# KiCad board Eclipse60.kicad_pcb (continued)
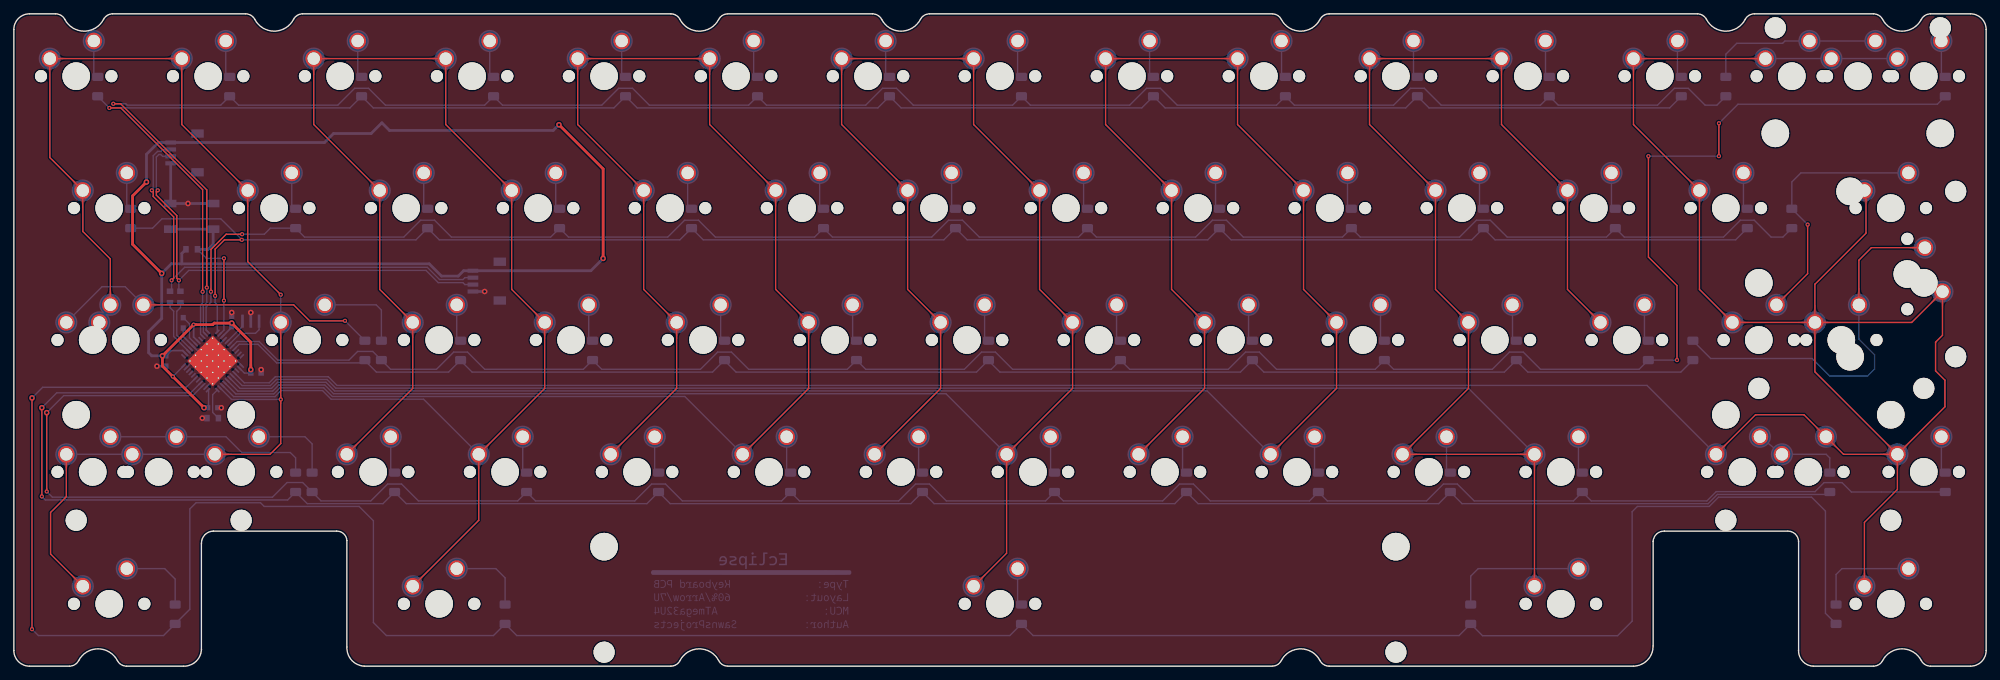
[diagram p0: board, top side]
## Copper pours and planes (outline as drawn; the poured copper is in the pictures) (continued)
Net-(D53-Pad2) on Bottom: 92.6,29.94 92.61,30.08 92.61,30.2 92.63,30.32 92.64,30.43 92.66,30.54 92.69,30.63 92.72,30.72 92.75,30.81 92.79,30.89 92.83,30.96 92.87,31.03 92.92,31.1 92.96,31.17 93.01,31.23 93.07,31.29 93.12,31.35 93.41,31.66 93.47,31.73 93.53,31.8 93.59,31.87 93.65,31.95 93.71,32.04 93.77,32.13 93.83,32.22 93.89,32.32 93.94,32.43 92.5,33.93 91.06,32.43 91.12,32.32 91.18,32.22 91.23,32.13 91.29,32.04 91.35,31.95 91.41,31.87 91.47,31.8 91.53,31.73 91.59,31.66 91.89,31.35 91.94,31.29 91.99,31.23 92.04,31.17 92.09,31.1 92.13,31.03 92.18,30.96 92.22,30.89 92.25,30.81 92.29,30.72 92.32,30.63 92.34,30.54 92.36,30.43 92.38,30.32 92.39,30.2 92.4,30.08 92.4,29.94
Net-(D53-Pad2) on Bottom: 92.6,30.74 92.6,30.84 92.61,30.94 92.62,31.03 92.63,31.11 92.65,31.19 92.67,31.26 92.69,31.33 92.71,31.39 92.74,31.45 92.77,31.51 92.8,31.56 92.83,31.61 92.86,31.66 92.9,31.71 93.28,32.13 93.32,32.19 93.37,32.25 93.41,32.31 93.46,32.38 93.5,32.45 93.54,32.53 93.58,32.61 92.5,33.73 91.42,32.61 91.46,32.53 91.51,32.45 91.55,32.38 91.59,32.31 91.64,32.25 91.68,32.19 91.73,32.13 92.1,31.71 92.14,31.66 92.18,31.61 92.21,31.56 92.24,31.51 92.27,31.45 92.29,31.39 92.32,31.33 92.34,31.26 92.36,31.19 92.37,31.11 92.39,31.03 92.4,30.94 92.4,30.84 92.4,30.74
Net-(D54-Pad2) on Bottom: 111.65,30.74 111.65,30.84 111.66,30.94 111.67,31.03 111.68,31.11 111.7,31.19 111.72,31.26 111.74,31.33 111.76,31.39 111.79,31.45 111.82,31.51 111.85,31.56 111.88,31.61 111.91,31.66 111.95,31.71 112.33,32.13 112.37,32.19 112.42,32.25 112.46,32.31 112.51,32.38 112.55,32.45 112.59,32.53 112.63,32.61 111.55,33.73 110.47,32.61 110.51,32.53 110.56,32.45 110.6,32.38 110.64,32.31 110.69,32.25 110.73,32.19 110.78,32.13 111.15,31.71 111.19,31.66 111.23,31.61 111.26,31.56 111.29,31.51 111.32,31.45 111.34,31.39 111.37,31.33 111.39,31.26 111.41,31.19 111.42,31.11 111.44,31.03 111.45,30.94 111.45,30.84 111.45,30.74
Net-(D54-Pad2) on Bottom: 111.65,29.94 111.66,30.08 111.66,30.2 111.68,30.32 111.69,30.43 111.71,30.54 111.74,30.63 111.77,30.72 111.8,30.81 111.84,30.89 111.88,30.96 111.92,31.03 111.97,31.1 112.01,31.17 112.06,31.23 112.12,31.29 112.17,31.35 112.46,31.66 112.52,31.73 112.58,31.8 112.64,31.87 112.7,31.95 112.76,32.04 112.82,32.13 112.88,32.22 112.94,32.32 112.99,32.43 111.55,33.93 110.11,32.43 110.17,32.32 110.23,32.22 110.28,32.13 110.34,32.04 110.4,31.95 110.46,31.87 110.52,31.8 110.58,31.73 110.64,31.66 110.94,31.35 110.99,31.29 111.04,31.23 111.09,31.17 111.14,31.1 111.18,31.03 111.23,30.96 111.27,30.89 111.3,30.81 111.34,30.72 111.37,30.63 111.39,30.54 111.41,30.43 111.43,30.32 111.44,30.2 111.45,30.08 111.45,29.94
Net-(D55-Pad2) on Bottom: 130.7,30.74 130.7,30.84 130.71,30.94 130.72,31.03 130.73,31.11 130.75,31.19 130.77,31.26 130.79,31.33 130.81,31.39 130.84,31.45 130.87,31.51 130.9,31.56 130.93,31.61 130.96,31.66 131,31.71 131.38,32.13 131.42,32.19 131.47,32.25 131.51,32.31 131.56,32.38 131.6,32.45 131.64,32.53 131.68,32.61 130.6,33.73 129.52,32.61 129.56,32.53 129.61,32.45 129.65,32.38 129.69,32.31 129.74,32.25 129.78,32.19 129.83,32.13 130.2,31.71 130.24,31.66 130.28,31.61 130.31,31.56 130.34,31.51 130.37,31.45 130.39,31.39 130.42,31.33 130.44,31.26 130.46,31.19 130.47,31.11 130.49,31.03 130.5,30.94 130.5,30.84 130.5,30.74
Net-(D55-Pad2) on Bottom: 130.7,29.94 130.71,30.08 130.71,30.2 130.73,30.32 130.74,30.43 130.76,30.54 130.79,30.63 130.82,30.72 130.85,30.81 130.89,30.89 130.93,30.96 130.97,31.03 131.02,31.1 131.06,31.17 131.11,31.23 131.17,31.29 131.22,31.35 131.51,31.66 131.57,31.73 131.63,31.8 131.69,31.87 131.75,31.95 131.81,32.04 131.87,32.13 131.93,32.22 131.99,32.32 132.04,32.43 130.6,33.93 129.16,32.43 129.22,32.32 129.28,32.22 129.33,32.13 129.39,32.04 129.45,31.95 129.51,31.87 129.57,31.8 129.63,31.73 129.69,31.66 129.99,31.35 130.04,31.29 130.09,31.23 130.14,31.17 130.19,31.1 130.23,31.03 130.28,30.96 130.32,30.89 130.35,30.81 130.39,30.72 130.42,30.63 130.44,30.54 130.46,30.43 130.48,30.32 130.49,30.2 130.5,30.08 130.5,29.94
Net-(D56-Pad2) on Bottom: 149.75,30.74 149.75,30.84 149.76,30.94 149.77,31.03 149.78,31.11 149.8,31.19 149.82,31.26 149.84,31.33 149.86,31.39 149.89,31.45 149.92,31.51 149.95,31.56 149.98,31.61 150.01,31.66 150.05,31.71 150.43,32.13 150.47,32.19 150.52,32.25 150.56,32.31 150.61,32.38 150.65,32.45 150.69,32.53 150.73,32.61 149.65,33.73 148.57,32.61 148.61,32.53 148.66,32.45 148.7,32.38 148.74,32.31 148.79,32.25 148.83,32.19 148.88,32.13 149.25,31.71 149.29,31.66 149.33,31.61 149.36,31.56 149.39,31.51 149.42,31.45 149.44,31.39 149.47,31.33 149.49,31.26 149.51,31.19 149.52,31.11 149.54,31.03 149.55,30.94 149.55,30.84 149.55,30.74
Net-(D56-Pad2) on Bottom: 149.75,29.94 149.76,30.08 149.76,30.2 149.78,30.32 149.79,30.43 149.81,30.54 149.84,30.63 149.87,30.72 149.9,30.81 149.94,30.89 149.98,30.96 150.02,31.03 150.07,31.1 150.11,31.17 150.16,31.23 150.22,31.29 150.27,31.35 150.56,31.66 150.62,31.73 150.68,31.8 150.74,31.87 150.8,31.95 150.86,32.04 150.92,32.13 150.98,32.22 151.04,32.32 151.09,32.43 149.65,33.93 148.21,32.43 148.27,32.32 148.33,32.22 148.38,32.13 148.44,32.04 148.5,31.95 148.56,31.87 148.62,31.8 148.68,31.73 148.74,31.66 149.04,31.35 149.09,31.29 149.14,31.23 149.19,31.17 149.24,31.1 149.28,31.03 149.33,30.96 149.37,30.89 149.4,30.81 149.44,30.72 149.47,30.63 149.49,30.54 149.51,30.43 149.53,30.32 149.54,30.2 149.55,30.08 149.55,29.94
Net-(D57-Pad2) on Bottom: 168.8,30.74 168.8,30.84 168.81,30.94 168.82,31.03 168.83,31.11 168.85,31.19 168.87,31.26 168.89,31.33 168.91,31.39 168.94,31.45 168.97,31.51 169,31.56 169.03,31.61 169.06,31.66 169.1,31.71 169.48,32.13 169.52,32.19 169.57,32.25 169.61,32.31 169.66,32.38 169.7,32.45 169.74,32.53 169.78,32.61 168.7,33.73 167.62,32.61 167.66,32.53 167.71,32.45 167.75,32.38 167.79,32.31 167.84,32.25 167.88,32.19 167.93,32.13 168.3,31.71 168.34,31.66 168.38,31.61 168.41,31.56 168.44,31.51 168.47,31.45 168.49,31.39 168.52,31.33 168.54,31.26 168.56,31.19 168.57,31.11 168.59,31.03 168.6,30.94 168.6,30.84 168.6,30.74
Net-(D57-Pad2) on Bottom: 168.8,29.94 168.81,30.08 168.81,30.2 168.83,30.32 168.84,30.43 168.86,30.54 168.89,30.63 168.92,30.72 168.95,30.81 168.99,30.89 169.03,30.96 169.07,31.03 169.12,31.1 169.16,31.17 169.21,31.23 169.27,31.29 169.32,31.35 169.61,31.66 169.67,31.73 169.73,31.8 169.79,31.87 169.85,31.95 169.91,32.04 169.97,32.13 170.03,32.22 170.09,32.32 170.14,32.43 168.7,33.93 167.26,32.43 167.32,32.32 167.38,32.22 167.43,32.13 167.49,32.04 167.55,31.95 167.61,31.87 167.67,31.8 167.73,31.73 167.79,31.66 168.09,31.35 168.14,31.29 168.19,31.23 168.24,31.17 168.29,31.1 168.33,31.03 168.38,30.96 168.42,30.89 168.45,30.81 168.49,30.72 168.52,30.63 168.54,30.54 168.56,30.43 168.58,30.32 168.59,30.2 168.6,30.08 168.6,29.94
Net-(D58-Pad2) on Bottom: 187.85,29.94 187.86,30.08 187.86,30.2 187.88,30.32 187.89,30.43 187.91,30.54 187.94,30.63 187.97,30.72 188,30.81 188.04,30.89 188.08,30.96 188.12,31.03 188.17,31.1 188.21,31.17 188.26,31.23 188.32,31.29 188.37,31.35 188.66,31.66 188.72,31.73 188.78,31.8 188.84,31.87 188.9,31.95 188.96,32.04 189.02,32.13 189.08,32.22 189.14,32.32 189.19,32.43 187.75,33.93 186.31,32.43 186.37,32.32 186.43,32.22 186.48,32.13 186.54,32.04 186.6,31.95 186.66,31.87 186.72,31.8 186.78,31.73 186.84,31.66 187.14,31.35 187.19,31.29 187.24,31.23 187.29,31.17 187.34,31.1 187.38,31.03 187.43,30.96 187.47,30.89 187.5,30.81 187.54,30.72 187.57,30.63 187.59,30.54 187.61,30.43 187.63,30.32 187.64,30.2 187.65,30.08 187.65,29.94
Net-(D58-Pad2) on Bottom: 187.85,30.74 187.85,30.84 187.86,30.94 187.87,31.03 187.88,31.11 187.9,31.19 187.92,31.26 187.94,31.33 187.96,31.39 187.99,31.45 188.02,31.51 188.05,31.56 188.08,31.61 188.11,31.66 188.15,31.71 188.53,32.13 188.57,32.19 188.62,32.25 188.66,32.31 188.71,32.38 188.75,32.45 188.79,32.53 188.83,32.61 187.75,33.73 186.67,32.61 186.71,32.53 186.76,32.45 186.8,32.38 186.84,32.31 186.89,32.25 186.93,32.19 186.98,32.13 187.35,31.71 187.39,31.66 187.43,31.61 187.46,31.56 187.49,31.51 187.52,31.45 187.54,31.39 187.57,31.33 187.59,31.26 187.61,31.19 187.62,31.11 187.64,31.03 187.65,30.94 187.65,30.84 187.65,30.74
Net-(D59-Pad2) on Bottom: 206.9,29.94 206.91,30.08 206.91,30.2 206.93,30.32 206.94,30.43 206.96,30.54 206.99,30.63 207.02,30.72 207.05,30.81 207.09,30.89 207.13,30.96 207.17,31.03 207.22,31.1 207.26,31.17 207.31,31.23 207.37,31.29 207.42,31.35 207.71,31.66 207.77,31.73 207.83,31.8 207.89,31.87 207.95,31.95 208.01,32.04 208.07,32.13 208.13,32.22 208.19,32.32 208.24,32.43 206.8,33.93 205.36,32.43 205.42,32.32 205.48,32.22 205.53,32.13 205.59,32.04 205.65,31.95 205.71,31.87 205.77,31.8 205.83,31.73 205.89,31.66 206.19,31.35 206.24,31.29 206.29,31.23 206.34,31.17 206.39,31.1 206.43,31.03 206.48,30.96 206.52,30.89 206.55,30.81 206.59,30.72 206.62,30.63 206.64,30.54 206.66,30.43 206.68,30.32 206.69,30.2 206.7,30.08 206.7,29.94
Net-(D59-Pad2) on Bottom: 206.9,30.74 206.9,30.84 206.91,30.94 206.92,31.03 206.93,31.11 206.95,31.19 206.97,31.26 206.99,31.33 207.01,31.39 207.04,31.45 207.07,31.51 207.1,31.56 207.13,31.61 207.16,31.66 207.2,31.71 207.58,32.13 207.62,32.19 207.67,32.25 207.71,32.31 207.76,32.38 207.8,32.45 207.84,32.53 207.88,32.61 206.8,33.73 205.72,32.61 205.76,32.53 205.81,32.45 205.85,32.38 205.89,32.31 205.94,32.25 205.98,32.19 206.03,32.13 206.4,31.71 206.44,31.66 206.48,31.61 206.51,31.56 206.54,31.51 206.57,31.45 206.59,31.39 206.62,31.33 206.64,31.26 206.66,31.19 206.67,31.11 206.69,31.03 206.7,30.94 206.7,30.84 206.7,30.74
Net-(D60-Pad2) on Bottom: 225.95,29.94 225.96,30.08 225.96,30.2 225.98,30.32 225.99,30.43 226.01,30.54 226.04,30.63 226.07,30.72 226.1,30.81 226.14,30.89 226.18,30.96 226.22,31.03 226.27,31.1 226.31,31.17 226.36,31.23 226.42,31.29 226.47,31.35 226.76,31.66 226.82,31.73 226.88,31.8 226.94,31.87 227,31.95 227.06,32.04 227.12,32.13 227.18,32.22 227.24,32.32 227.29,32.43 225.85,33.93 224.41,32.43 224.47,32.32 224.53,32.22 224.58,32.13 224.64,32.04 224.7,31.95 224.76,31.87 224.82,31.8 224.88,31.73 224.94,31.66 225.24,31.35 225.29,31.29 225.34,31.23 225.39,31.17 225.44,31.1 225.48,31.03 225.53,30.96 225.57,30.89 225.6,30.81 225.64,30.72 225.67,30.63 225.69,30.54 225.71,30.43 225.73,30.32 225.74,30.2 225.75,30.08 225.75,29.94
Net-(D60-Pad2) on Bottom: 225.95,30.74 225.95,30.84 225.96,30.94 225.97,31.03 225.98,31.11 226,31.19 226.02,31.26 226.04,31.33 226.06,31.39 226.09,31.45 226.12,31.51 226.15,31.56 226.18,31.61 226.21,31.66 226.25,31.71 226.63,32.13 226.67,32.19 226.72,32.25 226.76,32.31 226.81,32.38 226.85,32.45 226.89,32.53 226.93,32.61 225.85,33.73 224.77,32.61 224.81,32.53 224.86,32.45 224.9,32.38 224.94,32.31 224.99,32.25 225.03,32.19 225.08,32.13 225.45,31.71 225.49,31.66 225.53,31.61 225.56,31.56 225.59,31.51 225.62,31.45 225.64,31.39 225.67,31.33 225.69,31.26 225.71,31.19 225.72,31.11 225.74,31.03 225.75,30.94 225.75,30.84 225.75,30.74
Net-(D62-Pad2) on Bottom: 262.03,29.14 261.59,28.21 262.13,27.65 262.67,28.21 262.23,29.14
Net-(D62-Pad2) on Bottom: 257.61,30.69 257.51,30.69 257.41,30.7 257.33,30.71 257.24,30.72 257.17,30.73 257.09,30.75 257.03,30.77 256.96,30.8 256.9,30.82 256.85,30.85 256.79,30.88 256.74,30.92 256.69,30.95 256.65,30.99 256.22,31.37 256.16,31.41 256.1,31.46 256.04,31.5 255.97,31.54 255.9,31.59 255.83,31.63 255.74,31.67 254.62,30.59 255.74,29.51 255.83,29.55 255.9,29.59 255.97,29.64 256.04,29.68 256.1,29.73 256.16,29.77 256.22,29.81 256.65,30.19 256.69,30.23 256.74,30.26 256.79,30.3 256.85,30.33 256.9,30.36 256.96,30.38 257.03,30.41 257.09,30.43 257.17,30.45 257.24,30.46 257.33,30.47 257.41,30.48 257.51,30.49 257.61,30.49
Net-(D62-Pad2) on Bottom: 258.41,30.69 258.27,30.69 258.15,30.7 258.03,30.71 257.92,30.73 257.81,30.75 257.72,30.78 257.63,30.81 257.54,30.84 257.46,30.88 257.39,30.92 257.32,30.96 257.25,31 257.19,31.05 257.12,31.1 257.06,31.15 257,31.21 256.69,31.5 256.62,31.56 256.55,31.62 256.48,31.68 256.4,31.74 256.32,31.8 256.23,31.86 256.13,31.92 256.03,31.97 255.92,32.03 254.42,30.59 255.92,29.15 256.03,29.21 256.13,29.26 256.23,29.32 256.32,29.38 256.4,29.44 256.48,29.5 256.55,29.56 256.62,29.62 256.69,29.68 257,29.97 257.06,30.03 257.12,30.08 257.19,30.13 257.25,30.18 257.32,30.22 257.39,30.27 257.46,30.31 257.54,30.34 257.63,30.37 257.72,30.4 257.81,30.43 257.92,30.45 258.03,30.47 258.15,30.48 258.27,30.49 258.41,30.49
Net-(D62-Pad2) on Bottom: 252.67,32.51 252.77,32.42 252.87,32.33 252.95,32.25 253.03,32.17 253.1,32.08 253.16,32 253.21,31.93 253.25,31.85 253.29,31.77 253.33,31.69 253.35,31.61 253.38,31.54 253.4,31.46 253.42,31.38 253.43,31.3 253.45,31.22 253.51,30.8 253.52,30.71 253.54,30.62 253.56,30.53 253.58,30.43 253.61,30.33 253.64,30.23 253.68,30.12 253.73,30.01 253.78,29.9 255.85,30.09 255.58,32.15 255.46,32.18 255.34,32.2 255.23,32.21 255.12,32.22 255.02,32.22 254.92,32.23 254.82,32.23 254.73,32.22 254.64,32.22 254.22,32.18 254.14,32.18 254.06,32.18 253.98,32.18 253.89,32.18 253.81,32.19 253.73,32.2 253.65,32.21 253.56,32.24 253.48,32.26 253.39,32.3 253.3,32.34 253.2,32.38 253.11,32.44 253.01,32.5 252.9,32.58 252.79,32.66
Net-(D62-Pad2) on Bottom: 253.29,32.01 253.37,31.94 253.44,31.88 253.51,31.81 253.56,31.75 253.61,31.69 253.66,31.63 253.7,31.57 253.73,31.52 253.76,31.46 253.79,31.4 253.81,31.34 253.83,31.29 253.85,31.23 253.86,31.17 253.96,30.61 253.97,30.54 253.99,30.47 254.01,30.39 254.04,30.32 254.07,30.24 254.1,30.16 254.14,30.07 255.69,30.22 255.49,31.76 255.4,31.78 255.31,31.79 255.23,31.8 255.15,31.81 255.07,31.82 255,31.82 254.93,31.82 254.36,31.79 254.3,31.79 254.24,31.8 254.18,31.8 254.12,31.81 254.05,31.82 253.99,31.84 253.93,31.86 253.86,31.89 253.79,31.92 253.72,31.95 253.65,32 253.58,32.04 253.5,32.1 253.42,32.16
Net-(D62-Pad2) on Bottom: 254.6,31.22 254.49,31.3 254.4,31.39 254.31,31.47 254.24,31.56 254.17,31.64 254.11,31.72 254.06,31.8 254.01,31.87 253.98,31.95 253.94,32.03 253.91,32.11 253.89,32.19 253.87,32.26 253.85,32.34 253.83,32.42 253.82,32.5 253.76,32.92 253.75,33.01 253.73,33.1 253.71,33.2 253.68,33.29 253.66,33.39 253.62,33.49 253.59,33.6 253.54,33.71 253.49,33.82 251.42,33.63 251.69,31.57 251.81,31.55 251.93,31.53 252.04,31.51 252.15,31.5 252.25,31.5 252.35,31.49 252.44,31.5 252.54,31.5 252.63,31.5 253.05,31.54 253.13,31.54 253.21,31.54 253.29,31.54 253.37,31.54 253.45,31.53 253.54,31.52 253.62,31.51 253.7,31.49 253.79,31.46 253.88,31.43 253.97,31.38 254.06,31.34 254.16,31.28 254.26,31.22 254.37,31.14 254.47,31.06
Net-(D62-Pad2) on Bottom: 253.97,31.72 253.9,31.78 253.83,31.84 253.76,31.91 253.71,31.97 253.65,32.03 253.61,32.09 253.57,32.15 253.54,32.21 253.51,32.26 253.48,32.32 253.46,32.38 253.44,32.44 253.42,32.49 253.41,32.55 253.31,33.11 253.29,33.18 253.28,33.26 253.25,33.33 253.23,33.4 253.2,33.48 253.17,33.56 253.13,33.65 251.58,33.51 251.78,31.96 251.87,31.94 251.96,31.93 252.04,31.92 252.12,31.91 252.19,31.9 252.27,31.9 252.34,31.9 252.91,31.93 252.97,31.93 253.03,31.93 253.09,31.92 253.15,31.91 253.21,31.9 253.28,31.88 253.34,31.86 253.41,31.83 253.47,31.8 253.54,31.77 253.62,31.73 253.69,31.68 253.77,31.62 253.85,31.56
Net-(D63-Pad2) on Bottom: 278.34,29.94 278.34,30.08 278.35,30.2 278.36,30.32 278.38,30.43 278.4,30.54 278.43,30.63 278.46,30.72 278.49,30.81 278.53,30.89 278.56,30.96 278.61,31.03 278.65,31.1 278.7,31.17 278.75,31.23 278.8,31.29 278.86,31.35 279.15,31.66 279.21,31.73 279.27,31.8 279.33,31.87 279.39,31.95 279.45,32.04 279.51,32.13 279.57,32.22 279.62,32.32 279.68,32.43 278.24,33.93 276.8,32.43 276.86,32.32 276.91,32.22 276.97,32.13 277.03,32.04 277.09,31.95 277.15,31.87 277.21,31.8 277.27,31.73 277.33,31.66 277.62,31.35 277.68,31.29 277.73,31.23 277.78,31.17 277.83,31.1 277.87,31.03 277.92,30.96 277.95,30.89 277.99,30.81 278.02,30.72 278.05,30.63 278.08,30.54 278.1,30.43 278.12,30.32 278.13,30.2 278.14,30.08 278.14,29.94
Net-(D63-Pad2) on Bottom: 278.34,30.74 278.34,30.84 278.35,30.94 278.36,31.03 278.37,31.11 278.38,31.19 278.4,31.26 278.42,31.33 278.45,31.39 278.47,31.45 278.5,31.51 278.53,31.56 278.57,31.61 278.6,31.66 278.64,31.71 279.02,32.13 279.06,32.19 279.11,32.25 279.15,32.31 279.19,32.38 279.24,32.45 279.28,32.53 279.32,32.61 278.24,33.73 277.16,32.61 277.2,32.53 277.24,32.45 277.29,32.38 277.33,32.31 277.37,32.25 277.42,32.19 277.46,32.13 277.84,31.71 277.88,31.66 277.91,31.61 277.95,31.56 277.98,31.51 278.01,31.45 278.03,31.39 278.06,31.33 278.08,31.26 278.1,31.19 278.11,31.11 278.12,31.03 278.13,30.94 278.14,30.84 278.14,30.74
Net-(D65-Pad2) on Bottom: 23.19,10.09 22.75,9.16 23.29,8.6 23.83,9.16 23.39,10.09
Net-(D65-Pad2) on Bottom: 18.69,14.18 18.59,14.18 18.5,14.19 18.41,14.2 18.32,14.21 18.25,14.22 18.17,14.24 18.11,14.26 18.04,14.29 17.98,14.31 17.93,14.34 17.87,14.37 17.82,14.41 17.77,14.44 17.73,14.48 17.3,14.86 17.24,14.9 17.18,14.95 17.12,14.99 17.05,15.03 16.98,15.08 16.91,15.12 16.83,15.16 15.7,14.08 16.83,13 16.91,13.04 16.98,13.08 17.05,13.13 17.12,13.17 17.18,13.22 17.24,13.26 17.3,13.3 17.73,13.68 17.77,13.72 17.82,13.75 17.87,13.79 17.93,13.82 17.98,13.85 18.04,13.87 18.11,13.9 18.17,13.92 18.25,13.94 18.32,13.95 18.41,13.96 18.5,13.97 18.59,13.98 18.69,13.98
Net-(D65-Pad2) on Bottom: 19.49,14.18 19.36,14.18 19.23,14.19 19.11,14.2 19,14.22 18.9,14.24 18.8,14.27 18.71,14.3 18.62,14.33 18.55,14.37 18.47,14.41 18.4,14.45 18.33,14.49 18.27,14.54 18.2,14.59 18.14,14.64 18.08,14.7 17.77,14.99 17.71,15.05 17.63,15.11 17.56,15.17 17.48,15.23 17.4,15.29 17.31,15.35 17.21,15.41 17.11,15.46 17,15.52 15.5,14.08 17,12.64 17.11,12.7 17.21,12.75 17.31,12.81 17.4,12.87 17.48,12.93 17.56,12.99 17.63,13.05 17.71,13.11 17.77,13.17 18.08,13.46 18.14,13.52 18.2,13.57 18.27,13.62 18.33,13.67 18.4,13.71 18.47,13.76 18.55,13.8 18.62,13.83 18.71,13.86 18.8,13.89 18.9,13.92 19,13.94 19.11,13.96 19.23,13.97 19.36,13.98 19.49,13.98
Net-(D67-Pad2) on Bottom: 66.32,14.18 66.22,14.18 66.12,14.19 66.03,14.2 65.95,14.21 65.87,14.22 65.8,14.24 65.73,14.26 65.67,14.29 65.61,14.31 65.55,14.34 65.5,14.37 65.45,14.41 65.4,14.44 65.35,14.48 64.92,14.86 64.87,14.9 64.81,14.95 64.75,14.99 64.68,15.03 64.61,15.08 64.53,15.12 64.45,15.16 63.33,14.08 64.45,13 64.53,13.04 64.61,13.08 64.68,13.13 64.75,13.17 64.81,13.22 64.87,13.26 64.92,13.3 65.35,13.68 65.4,13.72 65.45,13.75 65.5,13.79 65.55,13.82 65.61,13.85 65.67,13.87 65.73,13.9 65.8,13.92 65.87,13.94 65.95,13.95 66.03,13.96 66.12,13.97 66.22,13.98 66.32,13.98
Net-(D67-Pad2) on Bottom: 70.81,10.09 70.37,9.16 70.91,8.6 71.45,9.16 71.01,10.09
Net-(D67-Pad2) on Bottom: 67.12,14.18 66.98,14.18 66.85,14.19 66.73,14.2 66.62,14.22 66.52,14.24 66.42,14.27 66.33,14.3 66.25,14.33 66.17,14.37 66.1,14.41 66.02,14.45 65.96,14.49 65.89,14.54 65.83,14.59 65.77,14.64 65.71,14.7 65.4,14.99 65.33,15.05 65.26,15.11 65.19,15.17 65.11,15.23 65.02,15.29 64.93,15.35 64.84,15.41 64.73,15.46 64.62,15.52 63.13,14.08 64.62,12.64 64.73,12.7 64.84,12.75 64.93,12.81 65.02,12.87 65.11,12.93 65.19,12.99 65.26,13.05 65.33,13.11 65.4,13.17 65.71,13.46 65.77,13.52 65.83,13.57 65.89,13.62 65.96,13.67 66.02,13.71 66.1,13.76 66.17,13.8 66.25,13.83 66.33,13.86 66.42,13.89 66.52,13.92 66.62,13.94 66.73,13.96 66.85,13.97 66.98,13.98 67.12,13.98
Net-(D68-Pad2) on Bottom: 222.66,13.98 222.8,13.98 222.93,13.97 223.05,13.96 223.16,13.94 223.26,13.92 223.36,13.89 223.45,13.86 223.53,13.83 223.61,13.8 223.68,13.76 223.76,13.71 223.82,13.67 223.89,13.62 223.95,13.57 224.01,13.52 224.07,13.46 224.38,13.17 224.45,13.11 224.52,13.05 224.59,12.99 224.67,12.93 224.76,12.87 224.85,12.81 224.94,12.75 225.05,12.7 225.16,12.64 226.65,14.08 225.16,15.52 225.05,15.46 224.94,15.41 224.85,15.35 224.76,15.29 224.67,15.23 224.59,15.17 224.52,15.11 224.45,15.05 224.38,14.99 224.07,14.7 224.01,14.64 223.95,14.59 223.89,14.54 223.82,14.49 223.76,14.45 223.68,14.41 223.61,14.37 223.53,14.33 223.45,14.3 223.36,14.27 223.26,14.24 223.16,14.22 223.05,14.2 222.93,14.19 222.8,14.18 222.66,14.18
Net-(D68-Pad2) on Bottom: 223.46,13.98 223.56,13.98 223.66,13.97 223.75,13.96 223.83,13.95 223.91,13.94 223.98,13.92 224.05,13.9 224.11,13.87 224.17,13.85 224.23,13.82 224.28,13.79 224.33,13.75 224.38,13.72 224.43,13.68 224.86,13.3 224.91,13.26 224.97,13.22 225.03,13.17 225.1,13.13 225.17,13.08 225.25,13.04 225.33,13 226.45,14.08 225.33,15.16 225.25,15.12 225.17,15.08 225.1,15.03 225.03,14.99 224.97,14.95 224.91,14.9 224.86,14.86 224.43,14.48 224.38,14.44 224.33,14.41 224.28,14.37 224.23,14.34 224.17,14.31 224.11,14.29 224.05,14.26 223.98,14.24 223.91,14.22 223.83,14.21 223.75,14.2 223.66,14.19 223.56,14.18 223.46,14.18
Net-(D68-Pad2) on Bottom: 210.2,10.09 209.76,9.16 210.3,8.6 210.84,9.16 210.4,10.09
Net-(D69-Pad2) on Bottom: 144.99,11.69 144.99,11.79 145,11.89 145.01,11.98 145.02,12.06 145.03,12.14 145.05,12.21 145.07,12.28 145.1,12.34 145.12,12.4 145.15,12.46 145.18,12.51 145.22,12.56 145.25,12.61 145.29,12.66 145.67,13.08 145.71,13.14 145.76,13.2 145.8,13.26 145.84,13.33 145.89,13.4 145.93,13.48 145.97,13.56 144.89,14.68 143.81,13.56 143.85,13.48 143.89,13.4 143.94,13.33 143.98,13.26 144.02,13.2 144.07,13.14 144.11,13.08 144.49,12.66 144.53,12.61 144.56,12.56 144.6,12.51 144.63,12.46 144.66,12.4 144.68,12.34 144.71,12.28 144.73,12.21 144.75,12.14 144.76,12.06 144.77,11.98 144.78,11.89 144.79,11.79 144.79,11.69
Net-(D69-Pad2) on Bottom: 144.99,10.89 144.99,11.03 145,11.15 145.01,11.27 145.03,11.38 145.05,11.49 145.08,11.58 145.11,11.67 145.14,11.76 145.18,11.84 145.21,11.91 145.26,11.98 145.3,12.05 145.35,12.12 145.4,12.18 145.45,12.24 145.51,12.3 145.8,12.61 145.86,12.68 145.92,12.75 145.98,12.82 146.04,12.9 146.1,12.99 146.16,13.08 146.22,13.17 146.27,13.27 146.33,13.38 144.89,14.88 143.45,13.38 143.51,13.27 143.56,13.17 143.62,13.08 143.68,12.99 143.74,12.9 143.8,12.82 143.86,12.75 143.92,12.68 143.98,12.61 144.27,12.3 144.33,12.24 144.38,12.18 144.43,12.12 144.48,12.05 144.52,11.98 144.57,11.91 144.6,11.84 144.64,11.76 144.67,11.67 144.7,11.58 144.73,11.49 144.75,11.38 144.77,11.27 144.78,11.15 144.79,11.03 144.79,10.89
Net-(D72-Pad2) on Bottom: 262.94,10.09 262.5,9.16 263.04,8.6 263.58,9.16 263.14,10.09
Net-(D72-Pad2) on Bottom: 271.09,13.98 271.19,13.98 271.28,13.97 271.37,13.96 271.46,13.95 271.53,13.94 271.61,13.92 271.67,13.9 271.74,13.87 271.8,13.85 271.85,13.82 271.91,13.79 271.96,13.75 272.01,13.72 272.05,13.68 272.48,13.3 272.54,13.26 272.6,13.22 272.66,13.17 272.73,13.13 272.8,13.08 272.87,13.04 272.95,13 274.08,14.08 272.95,15.16 272.87,15.12 272.8,15.08 272.73,15.03 272.66,14.99 272.6,14.95 272.54,14.9 272.48,14.86 272.05,14.48 272.01,14.44 271.96,14.41 271.91,14.37 271.85,14.34 271.8,14.31 271.74,14.29 271.67,14.26 271.61,14.24 271.53,14.22 271.46,14.21 271.37,14.2 271.28,14.19 271.19,14.18 271.09,14.18
Net-(D72-Pad2) on Bottom: 270.29,13.98 270.42,13.98 270.55,13.97 270.67,13.96 270.78,13.94 270.88,13.92 270.98,13.89 271.07,13.86 271.16,13.83 271.23,13.8 271.31,13.76 271.38,13.71 271.45,13.67 271.51,13.62 271.58,13.57 271.64,13.52 271.7,13.46 272.01,13.17 272.07,13.11 272.15,13.05 272.22,12.99 272.3,12.93 272.38,12.87 272.47,12.81 272.57,12.75 272.67,12.7 272.78,12.64 274.28,14.08 272.78,15.52 272.67,15.46 272.57,15.41 272.47,15.35 272.38,15.29 272.3,15.23 272.22,15.17 272.15,15.11 272.07,15.05 272.01,14.99 271.7,14.7 271.64,14.64 271.58,14.59 271.51,14.54 271.45,14.49 271.38,14.45 271.31,14.41 271.23,14.37 271.16,14.33 271.07,14.3 270.98,14.27 270.88,14.24 270.78,14.22 270.67,14.2 270.55,14.19 270.42,14.18 270.29,14.18
Net-(R4-Pad2) on Bottom: 28.97,62.02 29.26,62.87 28.77,63.38 28.27,62.87 28.57,62.02
Net-(R4-Pad2) on Bottom: 27.68,62.91 28.53,62.61 29.04,63.11 28.53,63.6 27.68,63.31
Net-(R4-Pad2) on Bottom: 23.66,63.31 22.81,63.6 22.29,63.11 22.81,62.61 23.66,62.91

Small or netless copper shapes (teardrops, artwork), in the pictures only: 43 on Top, 178 on Bottom
